# Altium PCB DevKITV3.PcbDoc (part 1 of 5) (continued)
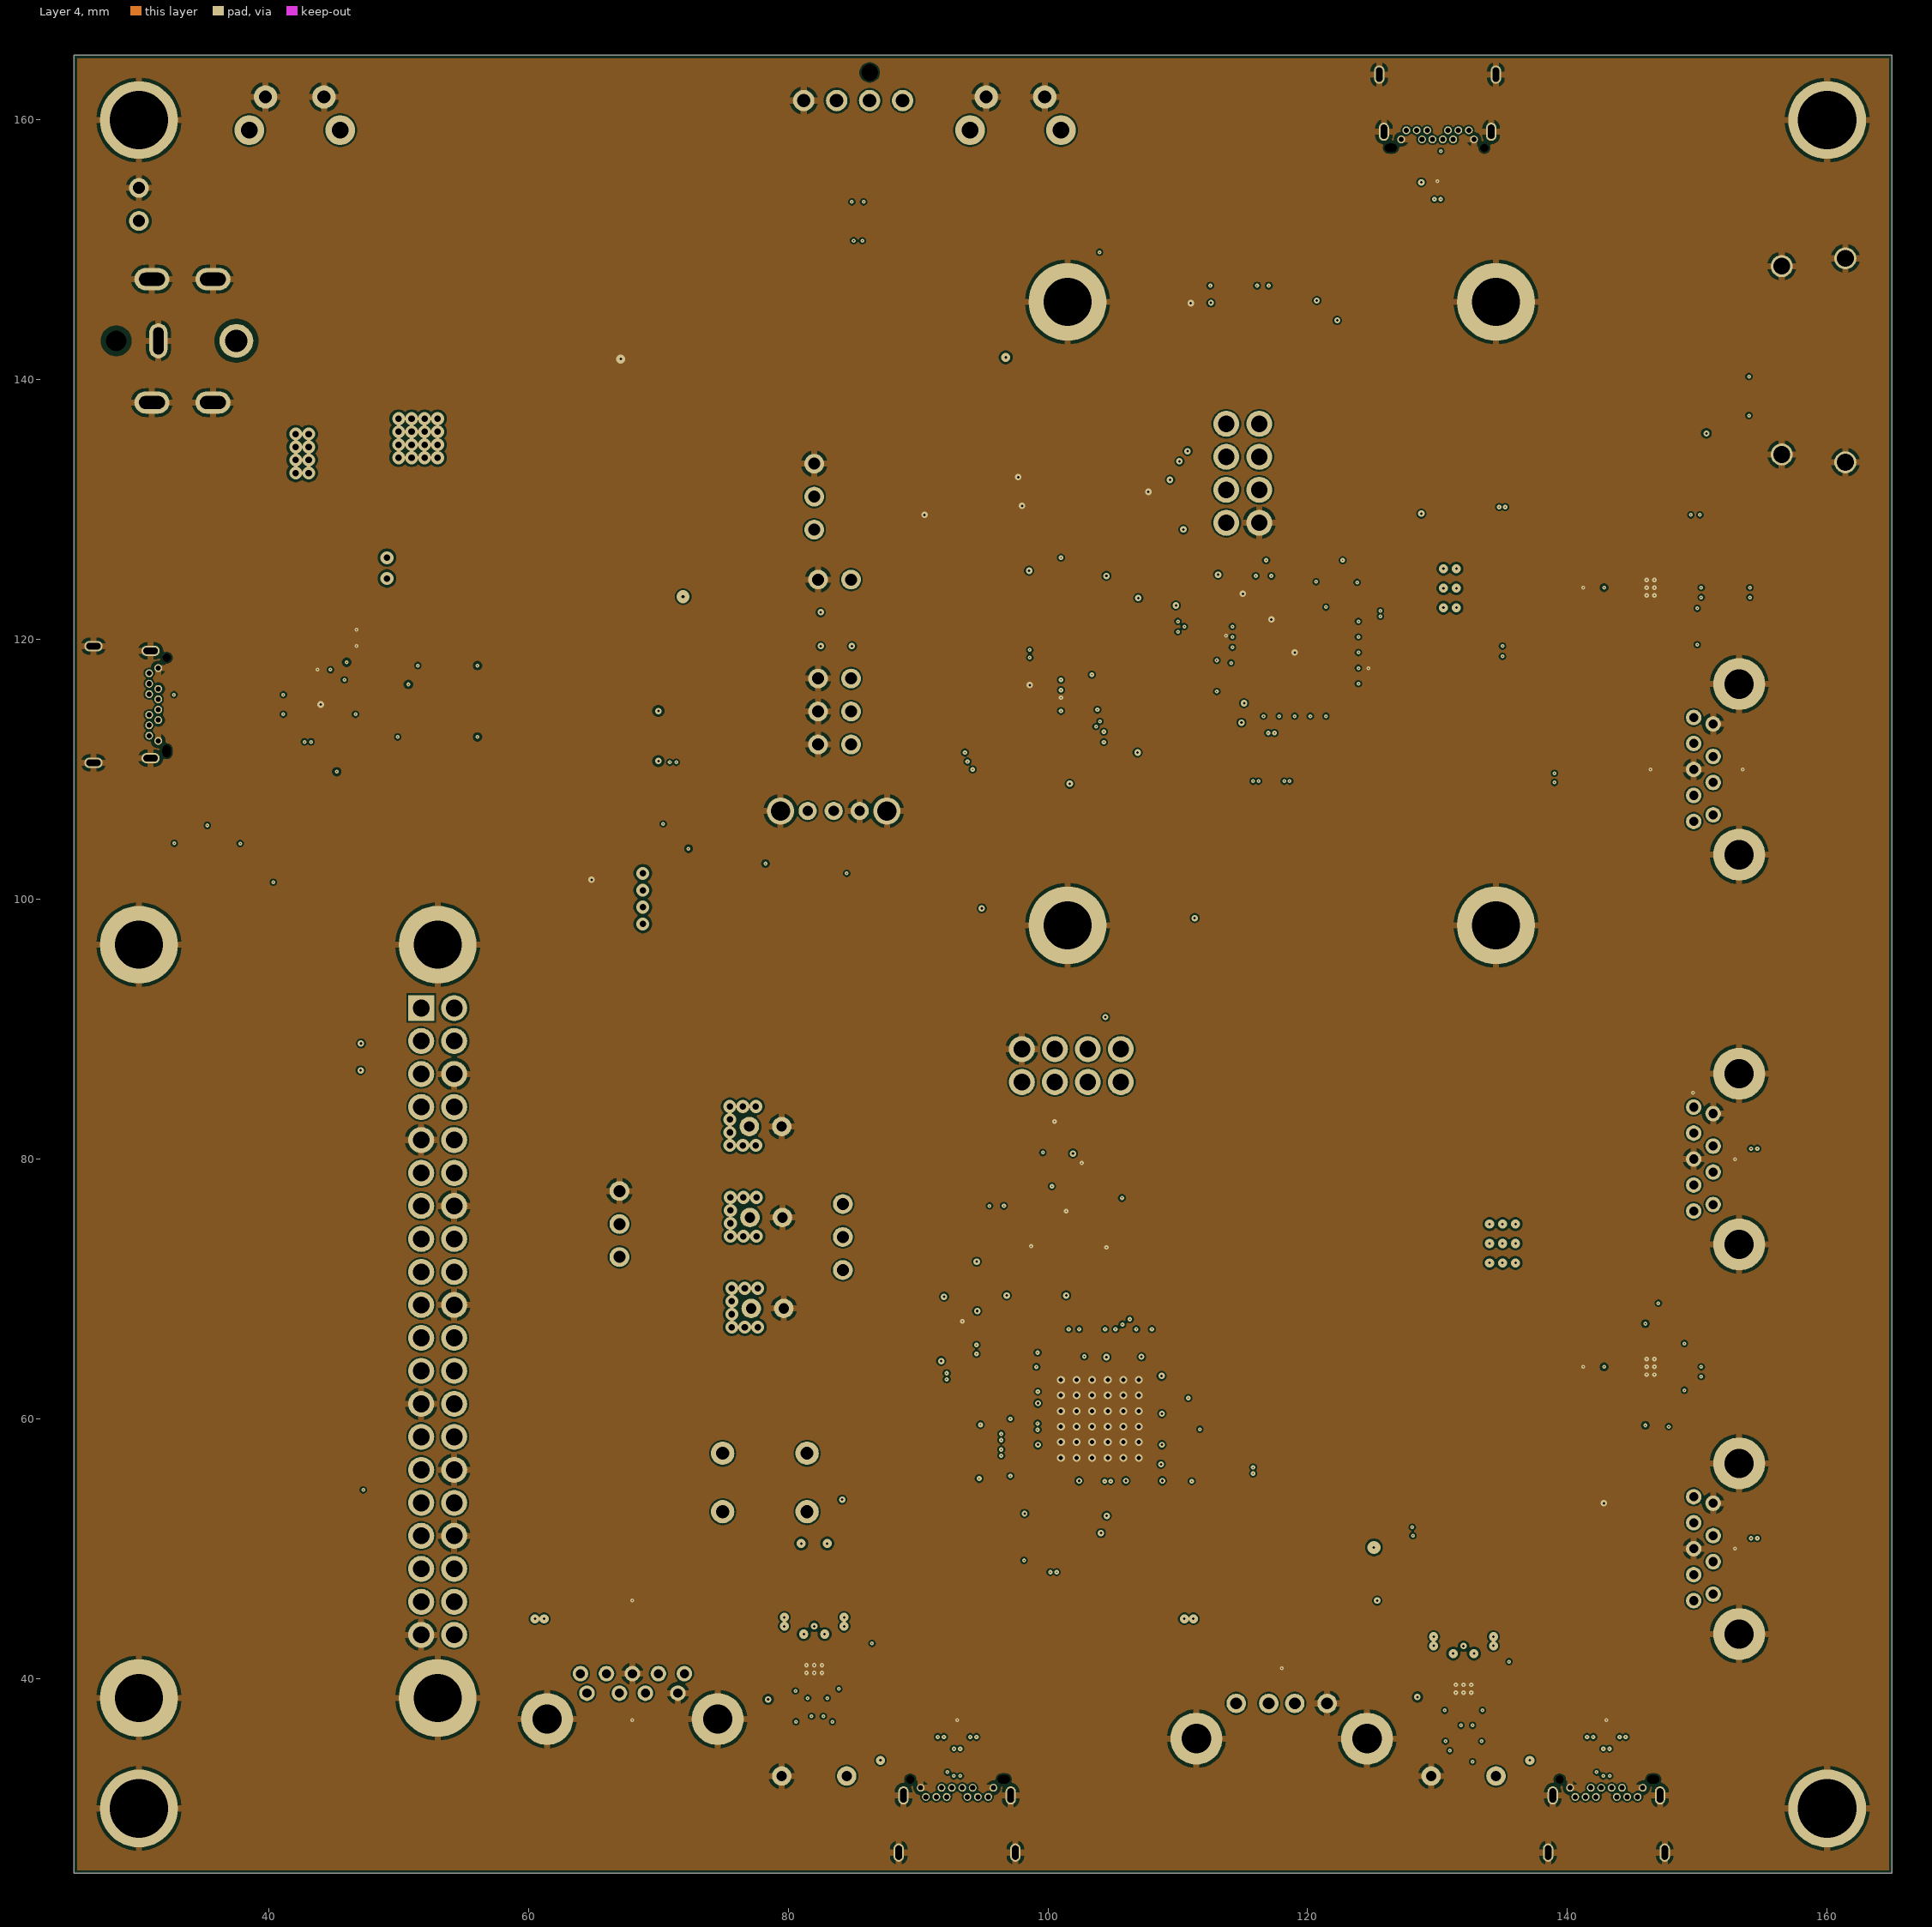
[diagram p4: Layer 4]
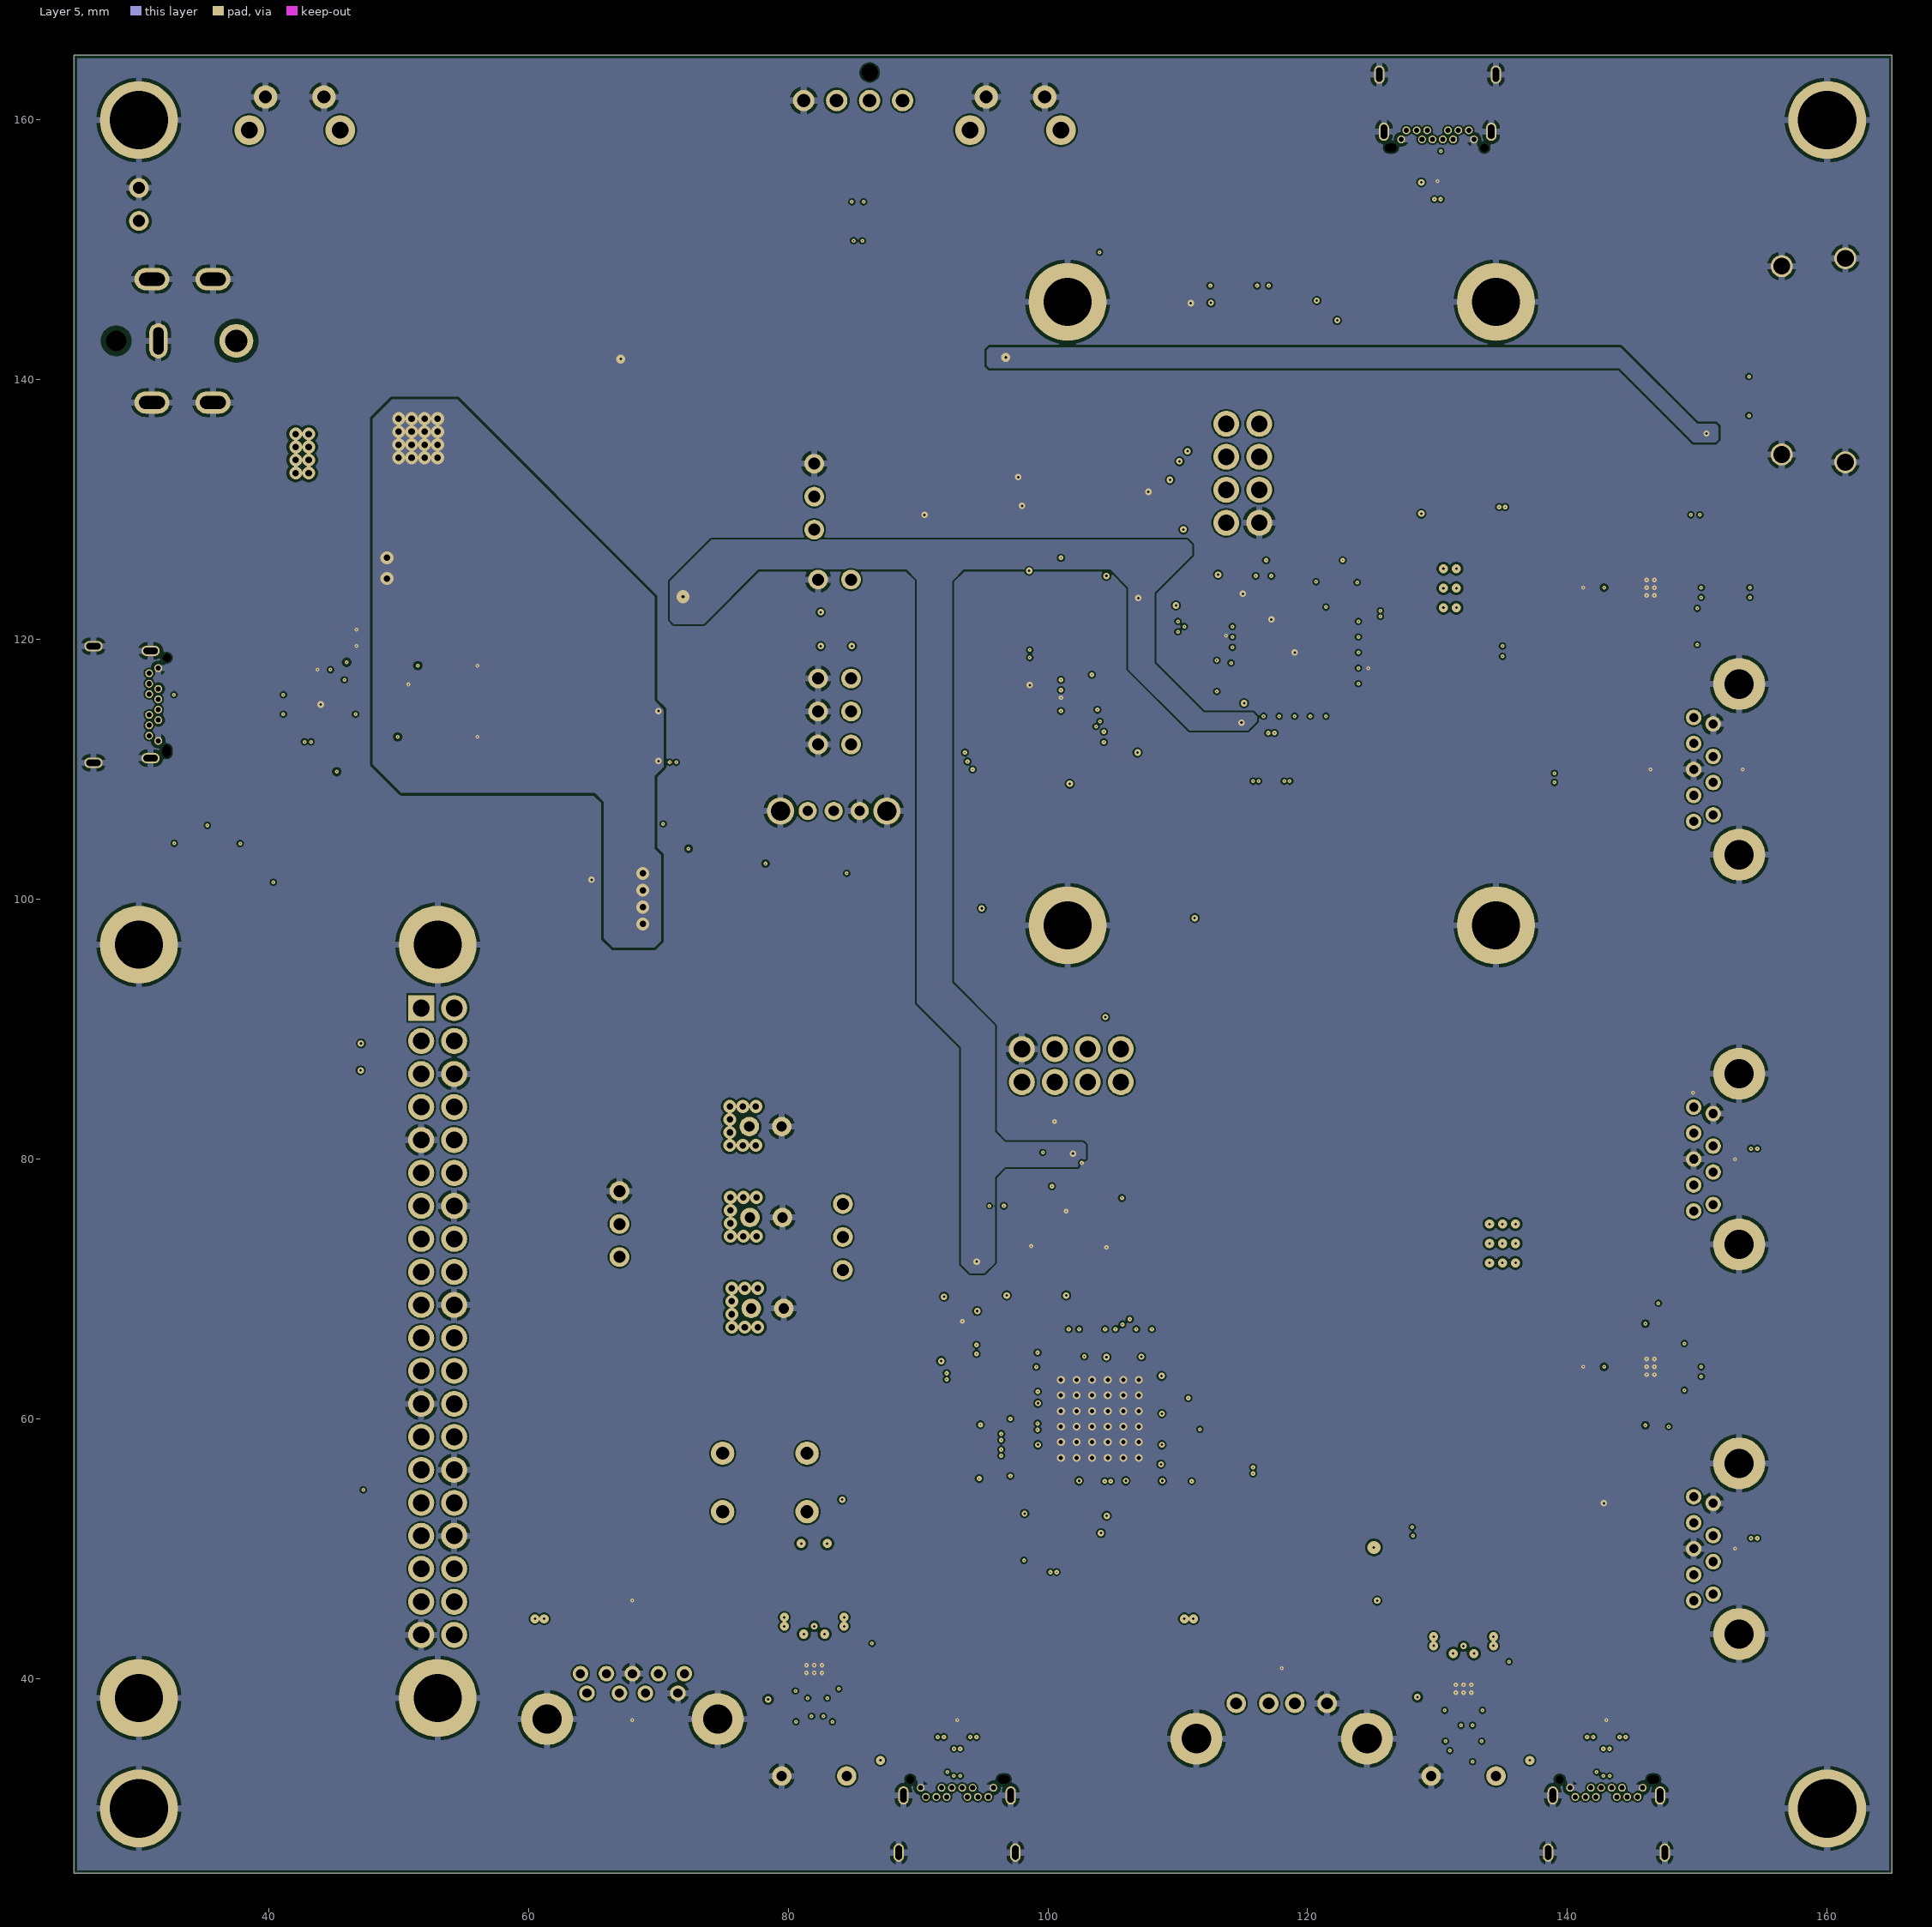
[diagram p5: Layer 5]
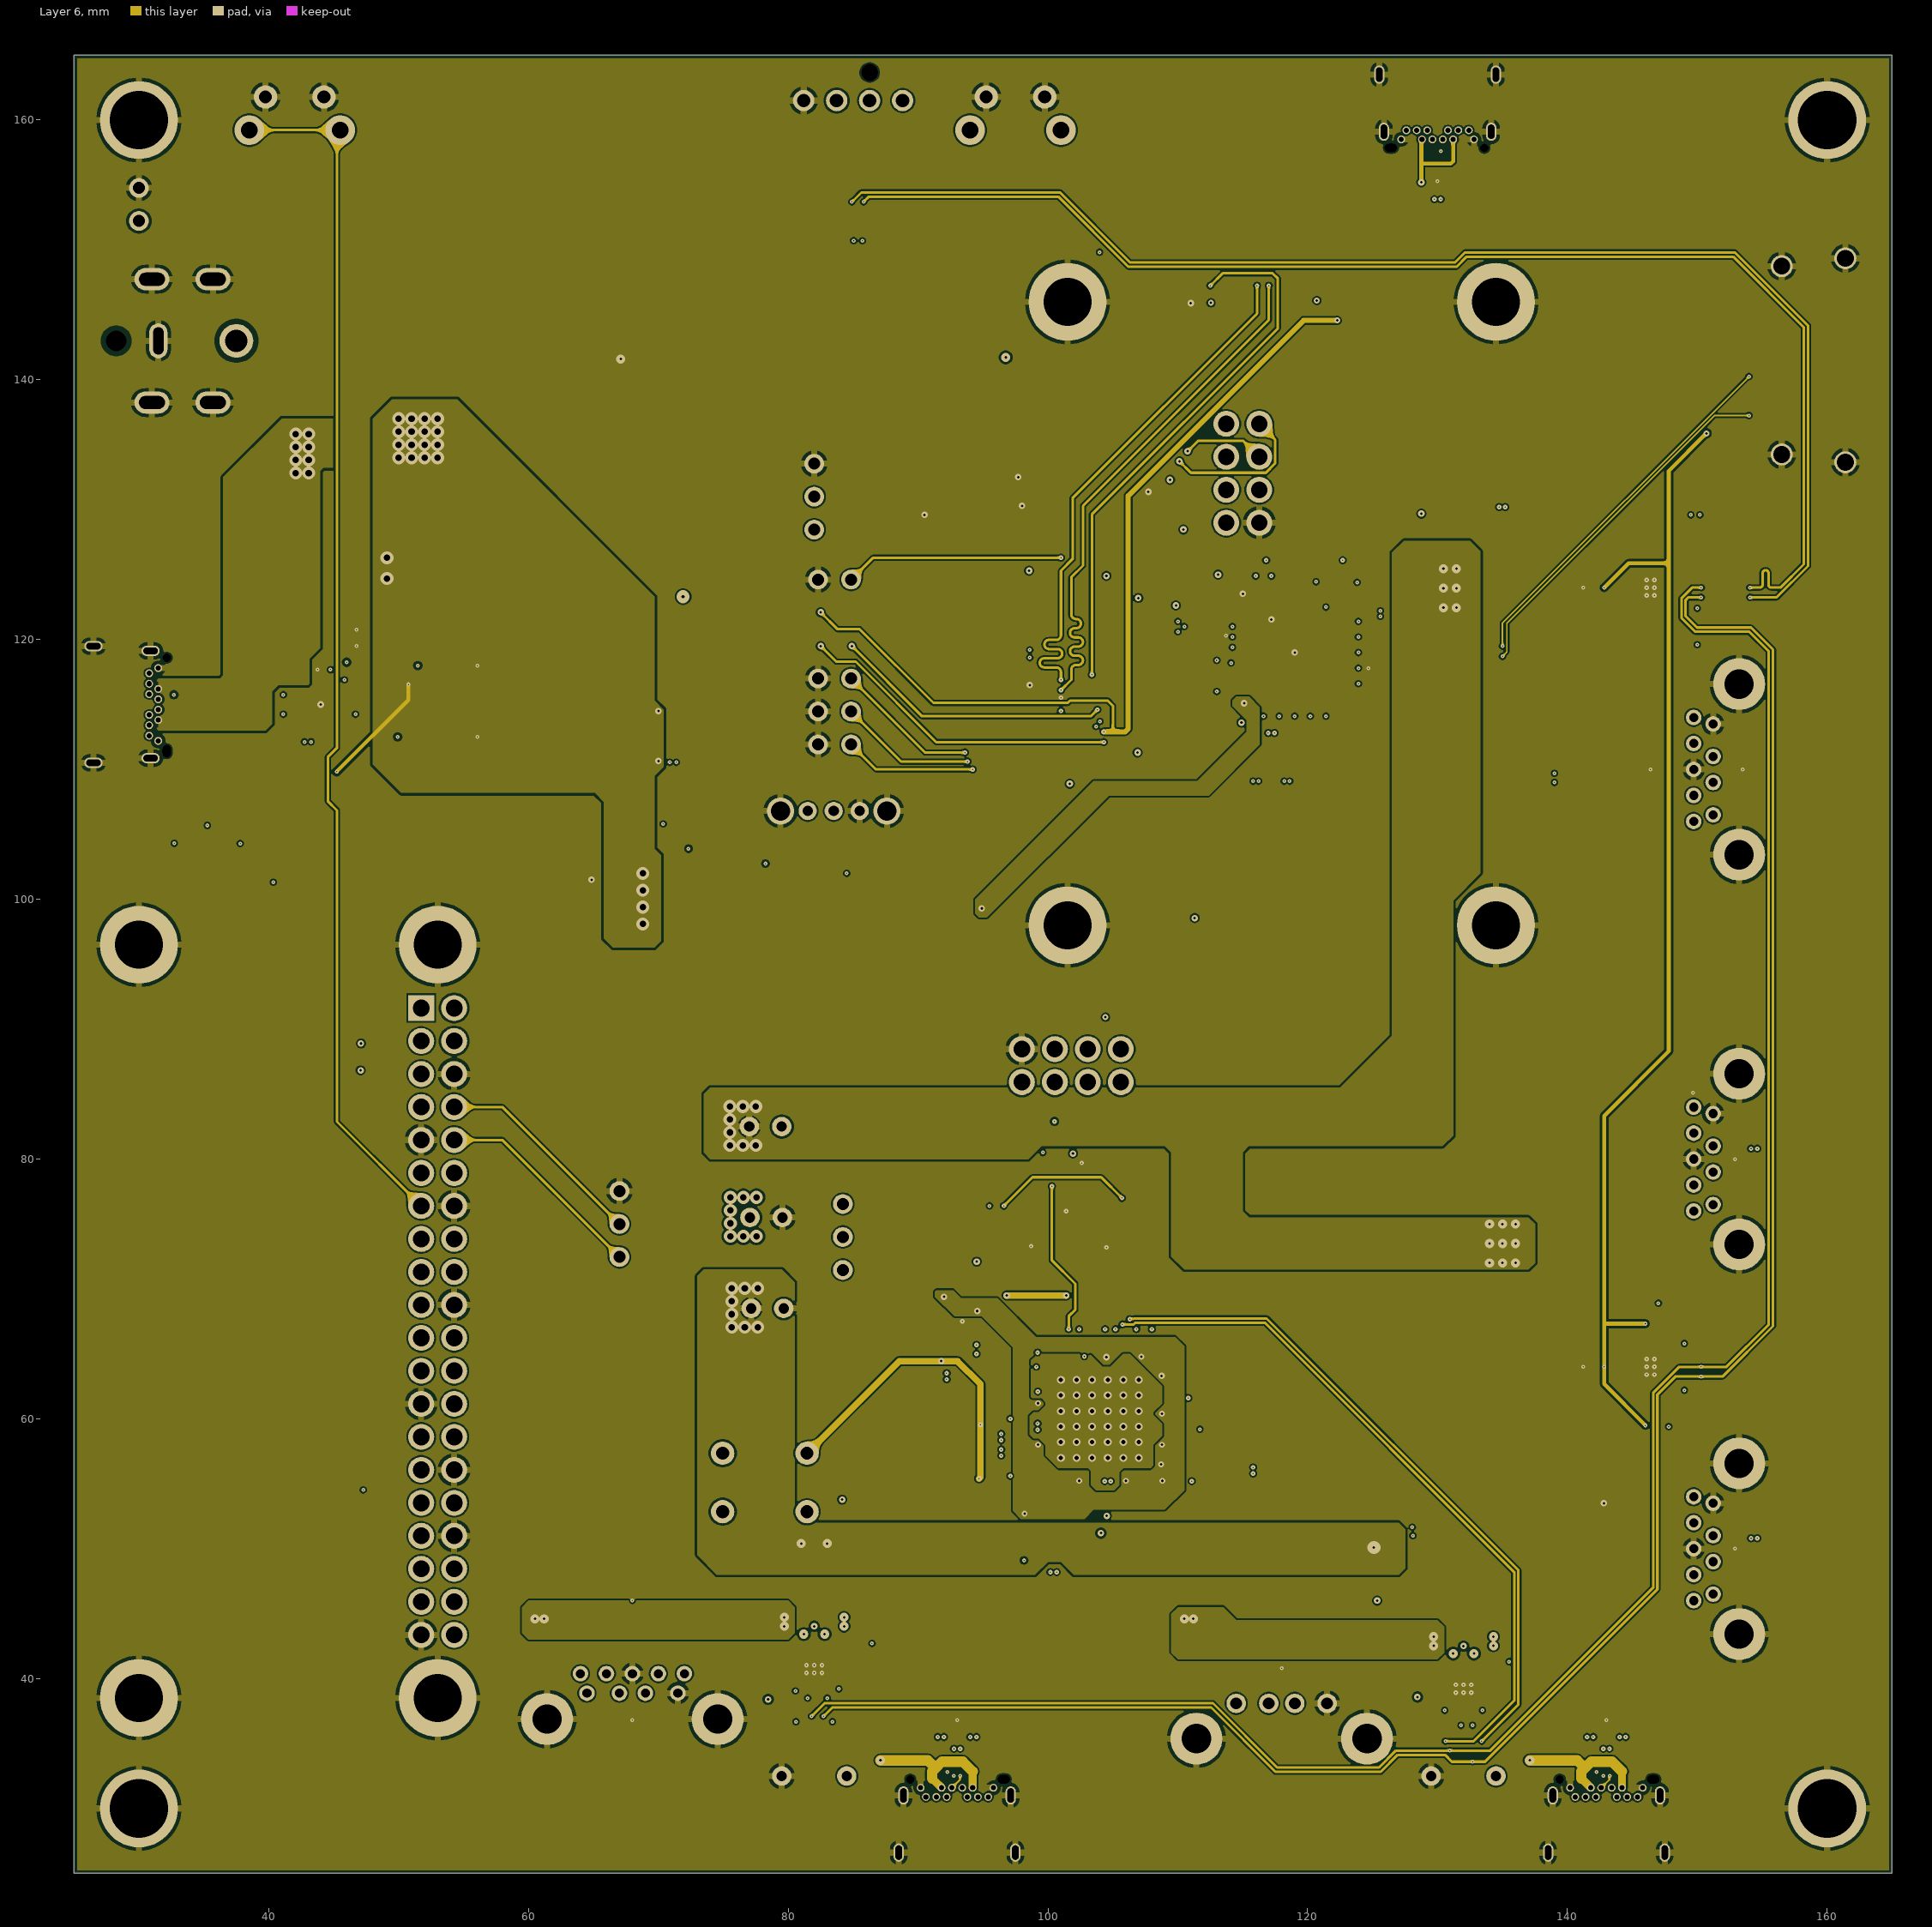
[diagram p6: Layer 6]